# KiCad board Dhlyd2HndMaxPy.kicad_pcb (continued)
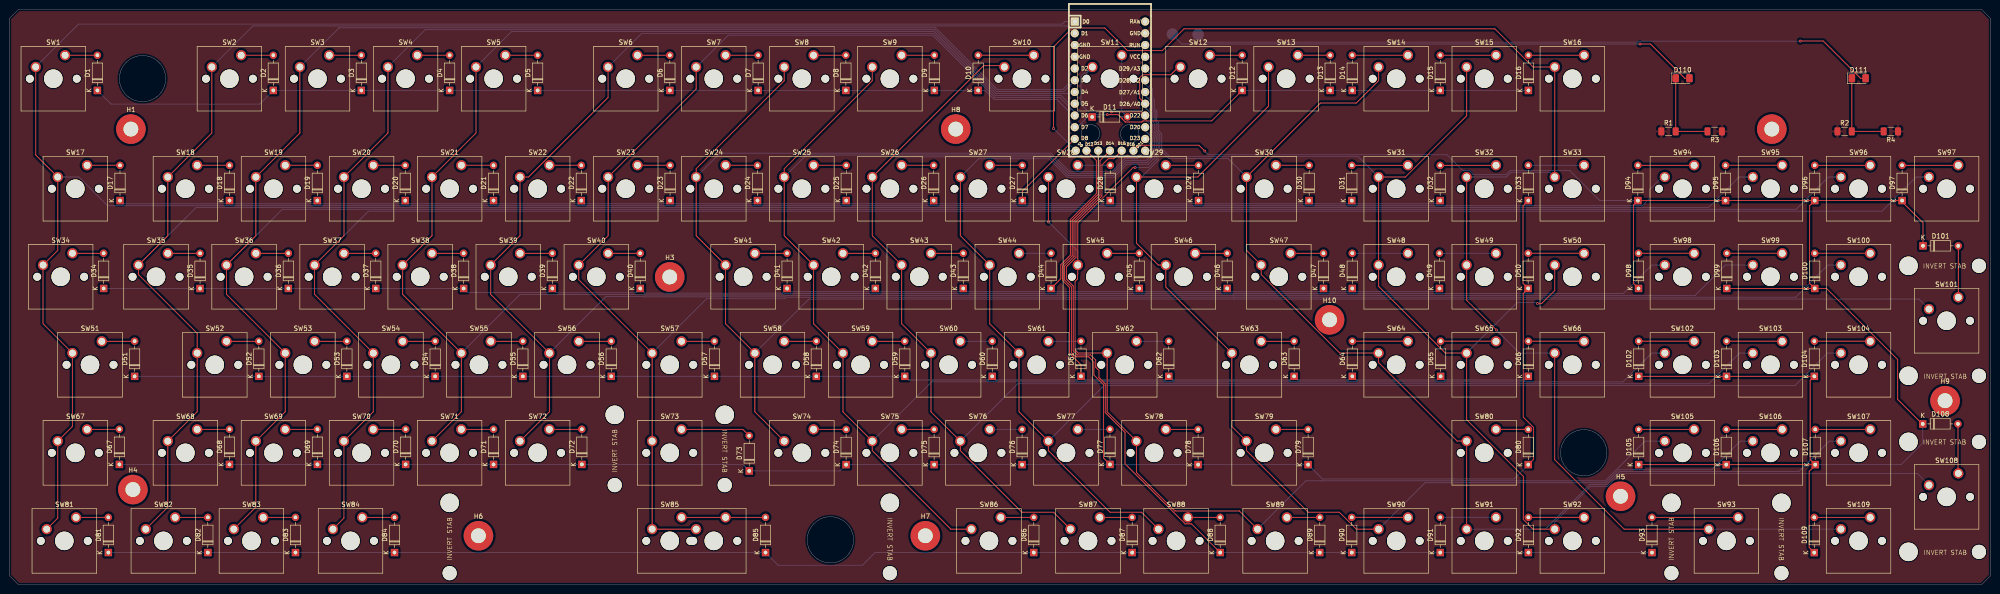
[diagram p0: board, top side]
## Footprints (pads in the part's own frame, mm; a bottom-side part is the same pattern mirrored in y, then rotated) (continued)
SW_Cherry_MX_1.3333u_PCB
  round 1.7 hole 1.7 unplated: (-7.62,-5.08) (2.54,-5.08)
  round 4 hole 4 unplated: (-2.54,-5.08)
  round 2.2 hole 1.5: 1(0,0) 2(-6.35,-2.54)
SW_Cherry_MX_1.8333u_PCB
  round 1.7 hole 1.7 unplated: (-7.62,-5.08) (2.54,-5.08)
  round 4 hole 4 unplated: (-2.54,-5.08)
  round 2.2 hole 1.5: 1(0,0) 2(-6.35,-2.54)
TestPoint_Pad_D2.5mm
  round 2.5 smd: 1(0,0)

## Nets
+5V: U1.21
GND: R1.1 R2.1 R3.1 R4.1 U1.3 U1.4 U1.23
Col0: SW1.2 SW17.2 SW34.2 SW51.2 SW67.2 SW81.2 SW94.2 U1.1
Col1: SW2.2 SW18.2 SW35.2 SW52.2 SW68.2 SW82.2 SW95.2 U1.2
Col2: SW3.2 SW19.2 SW36.2 SW53.2 SW69.2 SW83.2 SW96.2 U1.5
Col3: SW4.2 SW20.2 SW37.2 SW54.2 SW70.2 SW84.2 SW97.2 U1.6
Col4: SW5.2 SW21.2 SW38.2 SW55.2 SW71.2 SW98.2 U1.7
Col5: SW6.2 SW22.2 SW39.2 SW56.2 SW72.2 SW99.2 U1.8
Col6: SW7.2 SW23.2 SW40.2 SW57.2 SW73.2 SW85.2 SW100.2 U1.9
Col7: SW8.2 SW24.2 SW41.2 SW58.2 SW74.2 SW101.2 U1.13
Col8: SW9.2 SW25.2 SW42.2 SW59.2 SW75.2 SW86.2 SW102.2 U1.14
Col9: SW10.2 SW26.2 SW43.2 SW60.2 SW76.2 SW87.2 SW103.2 U1.15
Col10: SW11.2 SW27.2 SW44.2 SW61.2 SW77.2 SW88.2 SW104.2 U1.16
Col11: SW12.2 SW28.2 SW45.2 SW62.2 SW78.2 SW89.2 SW105.2 U1.17
Col12: SW13.2 SW29.2 SW46.2 SW63.2 SW79.2 SW90.2 SW106.2 U1.18
Col13: SW14.2 SW30.2 SW47.2 SW64.2 SW80.2 SW91.2 SW107.2 U1.19
Col14: SW15.2 SW31.2 SW48.2 SW50.2 SW65.2 SW92.2 SW108.2 U1.20
Col15: SW16.2 SW32.2 SW33.2 SW49.2 SW66.2 SW93.2 SW109.2 U1.12
Row0: D1.1 D2.1 D3.1 D4.1 D5.1 D6.1 D7.1 D8.1 D9.1 D10.1 D11.1 D12.1 D13.1 D14.1 D15.1 D16.1 U1.10
Row1: D17.1 D18.1 D19.1 D20.1 D21.1 D22.1 D23.1 D24.1 D25.1 D26.1 D27.1 D28.1 D29.1 D30.1 D31.1 D32.1 U1.11
Row2: D34.1 D35.1 D36.1 D37.1 D38.1 D39.1 D40.1 D41.1 D42.1 D43.1 D44.1 D45.1 D46.1 D47.1 D48.1 D49.1 U1.25
Row3: D51.1 D52.1 D53.1 D54.1 D55.1 D56.1 D57.1 D58.1 D59.1 D60.1 D61.1 D62.1 D63.1 D64.1 D65.1 D66.1 U1.26
Row4: D33.1 D50.1 D67.1 D68.1 D69.1 D70.1 D71.1 D72.1 D73.1 D74.1 D75.1 D76.1 D77.1 D78.1 D79.1 D80.1 U1.27
Row5: D81.1 D82.1 D83.1 D84.1 D85.1 D86.1 D87.1 D88.1 D89.1 D90.1 D91.1 D92.1 D93.1 U1.28
Row6: D94.1 D95.1 D96.1 D97.1 D98.1 D99.1 D100.1 D101.1 D102.1 D103.1 D104.1 D105.1 D106.1 D107.1 D108.1 D109.1 U1.29
Net-(D1-A): D1.2 SW1.1
Net-(D2-A): D2.2 SW2.1
Net-(D3-A): D3.2 SW3.1
Net-(D4-A): D4.2 SW4.1
Net-(D5-A): D5.2 SW5.1
Net-(D6-A): D6.2 SW6.1
Net-(D7-A): D7.2 SW7.1
Net-(D8-A): D8.2 SW8.1
Net-(D9-A): D9.2 SW9.1
Net-(D10-A): D10.2 SW10.1
Net-(D11-A): D11.2 SW11.1
Net-(D12-A): D12.2 SW12.1
Net-(D13-A): D13.2 SW13.1
Net-(D14-A): D14.2 SW14.1
Net-(D15-A): D15.2 SW15.1
Net-(D16-A): D16.2 SW16.1
Net-(D17-A): D17.2 SW17.1
Net-(D18-A): D18.2 SW18.1
Net-(D19-A): D19.2 SW19.1
Net-(D20-A): D20.2 SW20.1
Net-(D21-A): D21.2 SW21.1
Net-(D22-A): D22.2 SW22.1
Net-(D23-A): D23.2 SW23.1
Net-(D24-A): D24.2 SW24.1
Net-(D25-A): D25.2 SW25.1
Net-(D26-A): D26.2 SW26.1
Net-(D27-A): D27.2 SW27.1
Net-(D28-A): D28.2 SW28.1
Net-(D29-A): D29.2 SW29.1
Net-(D30-A): D30.2 SW30.1
Net-(D31-A): D31.2 SW31.1
Net-(D32-A): D32.2 SW32.1
Net-(D33-A): D33.2 SW33.1
Net-(D34-A): D34.2 SW34.1
Net-(D35-A): D35.2 SW35.1
Net-(D36-A): D36.2 SW36.1
Net-(D37-A): D37.2 SW37.1
Net-(D38-A): D38.2 SW38.1
Net-(D39-A): D39.2 SW39.1
Net-(D40-A): D40.2 SW40.1
Net-(D41-A): D41.2 SW41.1
Net-(D42-A): D42.2 SW42.1
Net-(D43-A): D43.2 SW43.1
Net-(D44-A): D44.2 SW44.1
Net-(D45-A): D45.2 SW45.1
Net-(D46-A): D46.2 SW46.1
Net-(D47-A): D47.2 SW47.1
Net-(D48-A): D48.2 SW48.1
Net-(D49-A): D49.2 SW49.1
Net-(D50-A): D50.2 SW50.1
Net-(D51-A): D51.2 SW51.1
Net-(D52-A): D52.2 SW52.1
Net-(D53-A): D53.2 SW53.1
Net-(D54-A): D54.2 SW54.1
Net-(D55-A): D55.2 SW55.1
Net-(D56-A): D56.2 SW56.1
Net-(D57-A): D57.2 SW57.1
Net-(D58-A): D58.2 SW58.1
Net-(D59-A): D59.2 SW59.1
Net-(D60-A): D60.2 SW60.1
Net-(D61-A): D61.2 SW61.1
Net-(D62-A): D62.2 SW62.1
Net-(D63-A): D63.2 SW63.1
Net-(D64-A): D64.2 SW64.1
Net-(D65-A): D65.2 SW65.1
Net-(D66-A): D66.2 SW66.1
Net-(D67-A): D67.2 SW67.1
Net-(D68-A): D68.2 SW68.1
Net-(D69-A): D69.2 SW69.1
Net-(D70-A): D70.2 SW70.1
Net-(D71-A): D71.2 SW71.1
Net-(D72-A): D72.2 SW72.1
Net-(D73-A): D73.2 SW73.1
Net-(D74-A): D74.2 SW74.1
Net-(D75-A): D75.2 SW75.1
Net-(D76-A): D76.2 SW76.1
Net-(D77-A): D77.2 SW77.1
Net-(D78-A): D78.2 SW78.1
Net-(D79-A): D79.2 SW79.1
Net-(D80-A): D80.2 SW80.1
Net-(D81-A): D81.2 SW81.1
Net-(D82-A): D82.2 SW82.1
Net-(D83-A): D83.2 SW83.1
Net-(D84-A): D84.2 SW84.1
Net-(D85-A): D85.2 SW85.1
Net-(D86-A): D86.2 SW86.1
Net-(D87-A): D87.2 SW87.1
Net-(D88-A): D88.2 SW88.1
Net-(D89-A): D89.2 SW89.1
Net-(D90-A): D90.2 SW90.1
Net-(D91-A): D91.2 SW91.1
Net-(D92-A): D92.2 SW92.1
Net-(D93-A): D93.2 SW93.1
Net-(D94-A): D94.2 SW94.1
Net-(D95-A): D95.2 SW95.1
Net-(D96-A): D96.2 SW96.1
Net-(D97-A): D97.2 SW97.1
Net-(D98-A): D98.2 SW98.1
Net-(D99-A): D99.2 SW99.1
Net-(D100-A): D100.2 SW100.1
Net-(D101-A): D101.2 SW101.1
Net-(D102-A): D102.2 SW102.1
Net-(D103-A): D103.2 SW103.1
Net-(D104-A): D104.2 SW104.1
Net-(D105-A): D105.2 SW105.1
Net-(D106-A): D106.2 SW106.1
Net-(D107-A): D107.2 SW107.1
Net-(D108-A): D108.2 SW108.1
Net-(D109-A): D109.2 SW109.1
Net-(D110-A): D110.2 TP1.1
Net-(D110-K): D110.1 R1.2 R3.2
Net-(D111-A): D111.2 TP2.1
Net-(D111-K): D111.1 R2.2 R4.2

Pads without a net: H1 1; H2 1; H3 1; H4 1; H5 1; H6 1; H7 1; H8 1; H9 1; H10 1; U1 22 24

## Via types
v1: diameter 0.6, hole 0.3, Top to Bottom, 10 vias

## Routing (per net, layer and track width the routed paths; a pad name or vN(x,y) marks a point on that pad's centre or on a via; arc(x,y) is an arc through that point)
Col0: length 691
  Top w0.2: SW81.2 10.49,14.42 SW67.2 13.66,34.26 SW51.2 7.31,56.48 SW34.2 10.49,72.36 SW17.2 5.72,93 SW1.2
  Bottom w0.2: SW1.2 15,121.32 227.8,121.32 228.35,121.87 U1.1 ; SW17.2 15.09,88.23 21.28,82.04 353.31,82.04 354.84,83.57 354.84,85.51 357.57,88.23 SW94.2
Col1: length 664.6
  Top w0.2: SW82.2 34.3,16.8 SW68.2 40.66,37.44 SW52.2 40.66,54.42 27.95,67.13 SW35.2 34.3,75.53 SW18.2 43.83,97.75 SW2.2
  Bottom w0.2: SW2.2 52.7,120.92 228.91,120.92 U1.2 ; SW95.2 374.23,88.23 367.63,81.64 40.41,81.64 SW35.2
Col2: length 653.3
  Top w0.2: SW83.2 53.35,16.8 SW69.2 59.7,37.44 SW53.2 47,62.84 SW36.2 53.36,75.53 SW19.2 62.88,97.75 SW3.2
  Bottom w0.2: SW36.2 59.06,81.24 386.58,81.24 393.58,88.23 SW96.2 ; SW3.2 71.36,120.52 200.39,120.52 213.77,107.14 227.9,107.14 229.12,108.36 229.12,110.33 U1.5
Col3: length 631.1
  Top w0.2: SW84.2 72.4,14.42 SW70.2 78.76,37.44 SW54.2 66.05,62.84 SW37.2 72.4,75.53 SW20.2 81.92,97.75 SW4.2
  Bottom w0.2: SW97.2 412.54,88.23 405.14,80.84 77.71,80.84 SW37.2 ; U1.6 230.5,109.08 228.15,106.73 213.62,106.73 200.22,120.12 90.01,120.12 SW4.2
Col4: length 502.2
  Top w0.2: SW71.2 97.8,37.44 SW55.2 85.1,62.84 SW38.2 91.45,75.53 SW21.2 100.98,97.75 SW5.2
  Bottom w0.2: SW5.2 108.65,119.72 200.06,119.72 213.49,106.29 230.16,106.29 U1.7 ; SW55.2 110.47,62.8 137.25,62.8 137.35,62.7 167.42,62.7 167.74,63.02 264.57,63.02 264.58,63.03 283.2,63.03 283.21,63.02 349.16,63.02 355.33,69.18 SW98.2
Col5: length 479
  Top w0.2: SW72.2 116.86,37.44 SW56.2 104.15,62.84 SW39.2 110.51,75.53 SW22.2 112.34,88.23 129.55,105.45 SW6.2
  Bottom w0.2: U1.8 229.34,104.09 227.59,105.85 213.37,105.85 199.9,119.32 136.82,119.32 SW6.2 ; SW56.2 129.12,62.4 137.09,62.4 137.19,62.3 167.58,62.3 167.9,62.62 264.74,62.62 264.75,62.63 283.03,62.63 283.04,62.62 364.71,62.62 371.28,69.18 SW99.2
Col6: length 484.8
  Top w0.2: SW85.2 SW85.2 139.07,12.04 SW73.2 139.08,31.09 SW57.2 123.2,66.01 SW40.2 129.56,75.53 SW23.2 148.6,107.28 SW7.2
  Bottom w0.2: 230.5,101 230.5,101.74 ; 230.5,101.74 U1.9 ; 230.5,101.74 230.5,102.24 227.32,105.42 213.23,105.42 199.73,118.92 155.54,118.92 148.67,112.04 SW7.2 ; SW57.2 150.85,61.9 167.75,61.9 168.07,62.22 264.9,62.22 264.91,62.23 282.87,62.23 282.88,62.22 386.47,62.22 393.44,69.18 SW100.2
Col7: length 459.8
  Top w0.2: SW8.2 167.65,109.08 148.61,90.03 SW24.2 148.61,75.53 SW41.2 154.95,56.48 SW58.2 161.31,37.43 SW74.2
  Bottom w0.2: SW58.2 172.99,61.82 265.07,61.82 265.08,61.83 282.7,61.83 282.71,61.82 413.14,61.82 SW101.2 ; U1.13 244.02,92.21 241.31,92.21 238.47,89.37 229.39,89.37 225.38,93.39 153.76,93.39 SW24.2 ; 246.4,93.45 246.03,93.82
Col8: length 395.3
  Top w0.2: SW86.2 203.7,12.03 186.7,29.03 SW75.2 180.36,37.43 SW59.2 174,56.48 SW42.2 167.65,75.53 SW25.2 167.65,90.03 186.7,109.08 SW9.2
  Bottom w0.2: SW102.2 355.34,50.13 349.12,43.91 199.52,43.91 SW75.2 ; U1.14 246.92,95.3 246.92,92.78 245.95,91.81 241.47,91.81 238.64,88.97 229.23,88.97 225.21,92.99 172.41,92.99 SW25.2
Col9: length 388.8
  Top w0.2: SW87.2 225.91,15.69 219.09,15.69 205.75,29.03 SW76.2 199.4,37.43 SW60.2 193.06,56.48 SW43.2 186.7,75.53 SW26.2 189.68,91.21 189.68,91.22 210.8,112.34 214.98,112.34 SW10.2
  Bottom w0.2: SW76.2 218.18,43.51 367.68,43.51 374.31,50.13 SW103.2 ; SW26.2 191.06,92.59 225.05,92.59 229.06,88.57 238.81,88.57 241.64,91.41 246.15,91.41 247.32,92.58 247.32,96.64 245.74,98.22 U1.15
Col10: length 358.8
  Top w0.2: v1(238.43,102.33) 241.42,102.33 241.43,102.34 242.35,102.34 242.36,102.33 244.97,102.33 U1.16 ; SW88.2 244.96,15.69 238.14,15.69 224.8,29.03 SW77.2 218.45,37.43 SW61.2 212.1,56.48 SW44.2 205.75,75.53 SW27.2
  Bottom w0.2: U1.16 245.74,100.69 246.93,99.5 246.93,97.61 247.72,96.82 247.72,92.34 246.39,91.01 241.82,91.01 238.98,88.17 228.9,88.17 224.88,92.19 209.71,92.19 SW27.2 205.91,88.08 ; SW77.2 236.82,43.11 386.31,43.11 393.34,50.13 SW104.2 ; SW11.2 232.98,110.7 232.56,110.7 231.85,110 231.85,103.95 233.47,102.34 235.23,102.34 235.24,102.33 v1(238.43,102.33)
Col11: length 264
  Top w0.2: v1(243.55,90.3) 243.14,90.3 231.15,78.31 SW45.2 231.15,67.21 231.08,67.14 231.08,66.15 230.58,65.64 230.58,50.8 231.25,50.13 SW62.2 237.5,37.43 SW78.2 243.85,24.27 252.15,15.97 266.11,15.97 SW89.2 ; SW12.2 252.95,112.04 251.27,110.37 245.19,110.37 244.55,109.73 244.55,105.28 U1.17 ; SW28.2 224.81,78.54 v1(224.84,78.51)
  Bottom w0.2: v1(224.84,78.51) 231.15,72.19 SW45.2 ; SW89.2 280.51,22.5 283.92,22.5 283.93,22.49 345.27,22.49 353.86,31.08 SW105.2 ; v1(243.55,90.3) 246.45,90.3 248.12,91.97 248.12,97.05 247.34,97.83 247.34,99.71 246.95,100.1 246.95,102.07 245.74,103.28 U1.17
Col12: length 260
  Top w0.2: SW13.2 272.43,103.55 257.1,88.23 SW29.2 243.85,73.91 248.58,69.18 SW46.2 250.2,64.42 SW63.2 264.49,34.26 SW79.2 267.66,29.03 281,15.69 287.77,15.69 291.42,12.03 SW90.2
  Bottom w0.2: SW90.2 306.3,22.09 345.44,22.09 348.24,24.9 368.3,24.9 374.48,31.08 SW106.2 ; U1.18 245.74,105.81 246.92,104.63 246.92,102.71 247.38,102.25 247.38,100.24 247.81,99.8 247.81,97.95 248.52,97.24 248.52,91.77 244.98,88.23 SW29.2
Col13: length 268.6
  Top w0.2: SW14.2 296.24,109.08 291.39,104.23 283.66,104.23 SW30.2 267.67,72.36 SW47.2 270.84,67.13 287.83,50.14 SW64.2 296.23,48.08 313.23,31.09 SW80.2 315.28,12.04 SW91.2
  Bottom w0.2: SW91.2 332.26,12.03 341.92,21.69 345.6,21.69 348.41,24.5 387.17,24.5 393.75,31.08 SW107.2 ; SW30.2 263.65,92.25 250.87,92.25 248.92,94.2 248.92,97.41 248.27,98.06 248.27,99.91 247.86,100.32 247.86,102.35 247.32,102.89 247.32,104.79 246.94,105.17 246.94,107.1 246.92,107.12 246.92,107.12 246.23,107.81 246.23,107.81 245.74,108.3 U1.19
Col14: length 319.9
  Top w0.2: SW92.2 329.64,12.03 327.54,14.13 327.54,23.45 315.28,35.72 SW65.2 310.67,50.14 296.23,64.58 SW48.2 296.23,88.15 296.24,88.15 SW31.2 302.03,88.23 315.29,101.49 SW15.2 ; v1(330.61,60.88) 331.53,60.88 334.33,63.68 SW50.2
  Bottom w0.2: SW108.2 412.76,24.1 348.58,24.1 345.77,21.29 342.09,21.29 334.34,13.54 SW92.2 ; v1(330.61,60.88) 330.41,61.08 326.22,61.08 SW65.2 ; SW31.2 291.82,92.65 251.08,92.65 249.32,94.41 249.32,97.59 248.67,98.24 248.67,100.08 248.26,100.49 248.26,102.51 247.72,103.05 247.72,104.96 247.34,105.34 247.34,107.26 246.92,107.69 246.92,110.54 U1.20 245.74,110.86
Col15: length 327.4
  Top w0.2: v1(225.9,98.71) 225.9,116.4 230.01,120.51 230.99,120.51 231.01,120.49 237,120.49 241.9,115.59 249.44,115.59 254.16,120.31 321.37,120.31 329.64,112.05 SW16.2 334.34,88.24 SW33.2 ; SW32.2 315.29,69.18 SW49.2 315.28,61.56 v1(321.72,55.13) ; SW66.2 334.33,27.06 349.36,12.03 SW93.2
  Bottom w0.2: SW66.2 326.71,50.14 v1(321.72,55.13) ; v1(225.9,98.71) 226.36,98.25 226.41,98.25 U1.12 ; SW32.2 323.87,88.23 324.9,89.26 333.31,89.26 SW33.2 ; SW93.2 SW109.2
Row0: length 322.7
  Top w0.2: v1(237.52,101.73) 239.89,101.73 240.79,100.83 240.79,100.78 241.43,100.14 245.02,100.14 245.25,100.38 260.13,100.38 D12.1
  Bottom w0.2: D1.1 22.03,104.01 54.17,104.01 D2.1 D3.1 D4.1 D6.1 D9.1 ; 230.5,99.34 230.5,98.46 233.28,101.24 D11.1 234.76,101.73 v1(237.52,101.73) ; D9.1 200.13,106.65 ; D9.1 D10.1 211.11,106.97 213.06,105.02 226.66,105.02 226.79,104.88 229.24,102.43 229.24,100.27 U1.10 ; D12.1 D16.1
Row1: length 312.3
  Top w0.2: U1.11 219.17,85.14 D27.1
  Bottom w0.2: D32.1 308.85,82.44 291.14,82.44 D31.1 289.74,82.44 281.91,82.44 D30.1 280.51,82.44 257.98,82.44 D29.1 256.58,82.44 238.88,82.44 D28.1 237.48,82.44 219.87,82.44 D27.1 218.47,82.44 200.68,82.44 D26.1 199.28,82.44 181.77,82.44 D25.1 180.37,82.44 162.57,82.44 D24.1 161.17,82.44 143.66,82.44 D23.1 142.26,82.44 124.46,82.44 D22.1 123.06,82.44 105.46,82.44 D21.1 104.06,82.44 86.36,82.44 D20.1 84.96,82.44 67.35,82.44 D19.1 65.95,82.44 48.35,82.44 D18.1 46.95,82.44 24.66,82.44 D17.1
Row2: length 330.7
  Top w0.2: D44.1 227.48,66.22 227.48,69.27 229.56,71.34 229.56,79.02 235.18,84.65 235.18,91.79 U1.25
  Bottom w0.2: D34.1 41.27,64.12 D35.1 41.61,64.11 41.62,64.12 D36.1 D37.1 D38.1 99.17,63.25 116.62,63.25 D39.1 118.41,63.2 135.58,63.2 D40.1 137.52,63.1 167.25,63.1 D41.1 168.97,63.42 186.67,63.42 D42.1 188.07,63.42 205.68,63.42 D43.1 207.08,63.42 224.68,63.42 D44.1 226.08,63.42 243.77,63.42 D45.1 245.17,63.42 262.78,63.42 D46.1 264.18,63.42 264.4,63.42 264.41,63.43 283.37,63.43 283.38,63.42 283.61,63.42 D47.1 285.01,63.42 289.84,63.42 D48.1 291.24,63.42 308.7,63.42 D49.1
Row3: length 359.8
  Top w0.2: D61.1 231.85,47.61 229.38,50.08 229.38,64.32 227.88,65.81 227.88,69.11 229.95,71.18 229.95,78.86 235.58,84.48 U1.26
  Bottom w0.2: D51.1 D59.1 194.53,44.31 211.86,44.31 D60.1 213.44,44.31 231.06,44.31 D61.1 232.64,44.31 250.06,44.31 D62.1 251.64,44.31 277.17,44.31 D63.1 278.75,44.31 289.76,44.31 D64.1 291.34,44.31 308.86,44.31 D65.1 310.44,44.31 327.84,44.31 D66.1
Row4: length 446.1
  Top w0.2: D33.1 327.49,82.01 327.49,65.22 D50.1 327.53,63.06 327.53,36.26 329.73,34.06 329.73,27.11 D80.1 ; D77.1 236.7,27.45 236.7,43.32 234.63,45.39 234.63,48.21 233.51,49.33 230.92,49.33 230.81,49.44 230.58,49.44 229.78,50.24 229.78,64.48 228.28,65.98 228.28,68.94 230.35,71.01 230.35,78.69 235.98,84.32 235.98,91.79 U1.27
  Bottom w0.2: D67.1 D72.1 158.68,26.04 D73.1 179.68,24.64 D74.1 D79.1 284.1,22.89 325.51,22.89 D80.1
Row5: length 445.1
  Top w0.2: U1.28 238.94,92.21 237.76,92.21 236.38,90.82 236.38,84.15 230.75,78.53 230.75,70.85 228.69,68.78 228.69,66.15 230.18,64.65 230.18,50.64 231.08,49.73 233.93,49.73 235.03,48.62 235.03,47.1 235.74,46.39 235.74,44.85 237.1,43.48 237.1,37.26 241.38,32.99 241.38,26.18 254.39,13.17 255.76,13.17 D88.1
  Bottom w0.2: D93.1 355.37,6.97 D88.1 D87.1 D86.1 187.32,6.97 184.56,4.21 166.36,4.21 D85.1 D84.1 D81.1
Row6: length 429.2
  Top w0.2: D104.1 390.5,45 ; D104.1 389.59,44.19 389.59,27.1 D107.1 ; D104.1 D103.1 D102.1 ; D96.1 D95.1 D94.1 351.37,82.18 351.37,65.22 D98.1 ; D96.1 389.47,82.04 389.47,65.22 D100.1 ; D96.1 D97.1 409.48,82.86 414,78.34 D101.1 ; D99.1 D100.1 ; D100.1 393.14,64.12 408.52,48.73 408.52,40.11 413.89,34.74 413.95,34.8 D108.1 ; U1.29 244.38,95.11 257.37,95.11 v1(258.64,93.84) ; D105.1 D106.1 D107.1 ; D107.1 390.69,25.84 389.38,24.53 389.38,8.06 D109.1
  Bottom w0.2: D94.1 344.08,83.14 337.56,89.66 324.73,89.66 323.81,88.74 316.69,88.74 316.69,88.81 315.87,89.63 314.45,89.63 311.04,93.05 259.43,93.05 v1(258.64,93.84) ; D108.1 413.95,30.67 409.27,26 D107.1
Net-(D1-A): length 7
  Top w0.2: SW1.1 19.06,114.58 D1.2
Net-(D2-A): length 7
  Top w0.2: SW2.1 57.12,114.58 D2.2
Net-(D3-A): length 6.9
  Top w0.2: D3.2 76.17,114.58 SW3.1
Net-(D4-A): length 7
  Top w0.2: D4.2 95.27,114.58 SW4.1
Net-(D5-A): length 7
  Top w0.2: SW5.1 114.3,114.58 D5.2
Net-(D6-A): length 7
  Top w0.2: D6.2 142.9,114.58 SW6.1
Net-(D7-A): length 7.1
  Top w0.2: D7.2 162,114.58 SW7.1
Net-(D8-A): length 7
  Top w0.2: D8.2 180.99,114.58 SW8.1
Net-(D9-A): length 7.1
  Top w0.2: SW9.1 200.13,114.58 D9.2
Net-(D10-A): length 12
  Top w0.2: D10.2 221.62,114.59 SW10.1
Net-(D11-A): length 13.8
  Bottom w0.2: SW11.1 240.68,102.45 D11.2
Net-(D12-A): length 7
  Top w0.2: SW12.1 266.71,114.58 D12.2
Net-(D13-A): length 7
  Top w0.2: SW13.1 278.78,114.59 D13.2
Net-(D14-A): length 12.1
  Top w0.2: SW14.1 290.53,114.58 D14.2
Net-(D15-A): length 12.1
  Top w0.2: D15.2 309.57,114.58 SW15.1
Net-(D16-A): length 12
  Top w0.2: SW16.1 328.65,114.59 D16.2
Net-(D17-A): length 7.1
  Top w0.2: SW17.1 23.94,90.77 D17.2
Net-(D18-A): length 7
  Top w0.2: D18.2 47.64,90.77 SW18.1
Net-(D19-A): length 7
  Top w0.2: D19.2 66.64,90.77 SW19.1
Net-(D20-A): length 6.9
  Top w0.2: SW20.1 85.64,90.77 D20.2
Net-(D21-A): length 7
  Top w0.2: D21.2 104.74,90.77 SW21.1
Net-(D22-A): length 6.9
  Top w0.2: D22.2 123.74,90.77 SW22.1
Net-(D23-A): length 7.1
  Top w0.2: SW23.1 142.94,90.77 D23.2
Net-(D24-A): length 6.9
  Top w0.2: SW24.1 161.86,90.77 D24.2
Net-(D25-A): length 7.1
  Top w0.2: D25.2 181.06,90.77 SW25.1
Net-(D26-A): length 6.9
  Top w0.2: SW26.1 199.96,90.77 D26.2
Net-(D27-A): length 7.1
  Top w0.2: D27.2 219.15,90.77 SW27.1
Net-(D28-A): length 7.1
  Top w0.2: 238.16,90.77 D28.2
  Bottom w0.2: SW28.1 238.16,90.77 D28.2
Net-(D29-A): length 7.1
  Top w0.2: SW29.1 257.26,90.77 D29.2
Net-(D30-A): length 7.2
  Top w0.2: SW30.1 281.19,90.77 D30.2
Net-(D31-A): length 12.2
  Top w0.2: D31.2 302.57,90.76 SW31.1
Net-(D32-A): length 12.1
  Top w0.2: SW32.1 321.62,90.76 D32.2
Net-(D33-A): length 12.1
  Bottom w0.2: SW33.1 340.67,90.76 D33.2
Net-(D34-A): length 6.8
  Top w0.2: SW34.1 20.41,71.72 D34.2
Net-(D35-A): length 7
  Top w0.2: D35.2 41.27,71.72 SW35.1
Net-(D36-A): length 7
  Top w0.2: D36.2 60.36,71.72 SW36.1
Net-(D37-A): length 6.9
  Top w0.2: D37.2 79.27,71.72 SW37.1
Net-(D38-A): length 6.9
  Top w0.2: D38.2 98.28,71.72 SW38.1
Net-(D39-A): length 7
  Top w0.2: SW39.1 117.47,71.72 D39.2
Net-(D40-A): length 7
  Top w0.2: SW40.1 136.48,71.72 D40.2
Net-(D41-A): length 7
  Top w0.2: D41.2 168.25,71.72 SW41.1
Net-(D42-A): length 7
  Top w0.2: SW42.1 187.36,71.72 D42.2
Net-(D43-A): length 7
  Top w0.2: D43.2 206.37,71.72 SW43.1
Net-(D44-A): length 6.9
  Bottom w0.2: D44.2 225.37,71.72 SW44.1
Net-(D45-A): length 7
  Top w0.2: D45.2 244.45,71.72 SW45.1
Net-(D46-A): length 6.9
  Top w0.2: D46.2 263.46,71.72 SW46.1
Net-(D47-A): length 7.1
  Top w0.2: D47.2 284.29,71.72 SW47.1
Net-(D48-A): length 12.1
  Top w0.2: 302.57,71.74 SW48.1
  Bottom w0.2: SW48.1 302.57,71.74 D48.2
Net-(D49-A): length 12.2
  Bottom w0.2: SW49.1 321.62,71.74 D49.2
Net-(D50-A): length 12.1
  Top w0.2: SW50.1 340.67,71.74 D50.2
Net-(D51-A): length 7.1
  Top w0.2: D51.2 27.08,52.67 SW51.1
Net-(D52-A): length 7
  Top w0.2: SW52.1 53.95,52.67 D52.2
Net-(D53-A): length 7
  Top w0.2: D53.2 72.99,52.67 SW53.1
Net-(D54-A): length 7.1
  Top w0.2: D54.2 92.09,52.67 SW54.1
Net-(D55-A): length 7
  Top w0.2: SW55.1 111.07,52.67 D55.2
Net-(D56-A): length 7
  Top w0.2: SW56.1 130.19,52.67 D56.2
Net-(D57-A): length 7.1
  Top w0.2: D57.2 152.51,52.67 SW57.1
Net-(D58-A): length 7
  Top w0.2: SW58.1 174.55,52.67 D58.2
Net-(D59-A): length 7.1
  Top w0.2: SW59.1 193.69,52.67 D59.2
Net-(D60-A): length 6.9
  Bottom w0.2: SW60.1 212.6,52.67 D60.2
Net-(D61-A): length 7.1
  Bottom w0.2: SW61.1 231.81,52.67 D61.2
Net-(D62-A): length 7.1
  Top w0.2: 250.81,52.67 D62.2
  Bottom w0.2: SW62.1 250.81,52.67 D62.2
Net-(D63-A): length 7.1
  Top w0.2: SW63.1 277.91,52.67 D63.2
Net-(D64-A): length 12
  Top w0.2: SW64.1 302.54,52.72 D64.2
Net-(D65-A): length 12
  Top w0.2: SW65.1 321.59,52.72 D65.2
Net-(D66-A): length 12.1
  Top w0.2: D66.2 340.64,52.72 SW66.1
Net-(D67-A): length 7
  Top w0.2: SW67.1 23.8,33.62 D67.2
Net-(D68-A): length 7
  Top w0.2: SW68.1 47.61,33.62 D68.2
Net-(D69-A): length 7
  Top w0.2: D69.2 66.64,33.62 SW69.1
Net-(D70-A): length 7
  Top w0.2: D70.2 85.71,33.62 SW70.1
Net-(D71-A): length 7
  Top w0.2: D71.2 104.73,33.62 SW71.1
Net-(D72-A): length 7
  Top w0.2: SW72.1 123.83,33.62 D72.2
Net-(D73-A): length 15.2
  Top w0.2: SW73.1 158.71,33.62 D73.2
Net-(D74-A): length 7
  Top w0.2: D74.2 181.04,33.62 SW74.1
Net-(D75-A): length 7
  Top w0.2: D75.2 200.07,33.62 SW75.1
Net-(D76-A): length 7
  Bottom w0.2: SW76.1 219.1,33.62 D76.2
Net-(D77-A): length 7
  Bottom w0.2: SW77.1 238.08,33.62 D77.2
Net-(D78-A): length 7.9
  Top w0.2: 257.93,33.26 257.56,33.62 SW78.1
Net-(D79-A): length 7
  Top w0.2: D79.2 280.98,33.62 SW79.1
Net-(D80-A): length 7
  Top w0.2: SW80.1 328.61,33.63 D80.2
Net-(D81-A): length 7
  Top w0.2: SW81.1 21.42,14.57 D81.2
Net-(D82-A): length 7.1
  Top w0.2: D82.2 42.94,14.57 SW82.1
Net-(D83-A): length 7
  Top w0.2: SW83.1 61.91,14.57 D83.2
Net-(D84-A): length 7
  Top w0.2: D84.2 83.33,14.57 SW84.1
Net-(D85-A): length 18.2
  Top w0.2: D85.2 163.59,14.57 SW85.1 SW85.1
Net-(D86-A): length 7.2
  Top w0.2: SW86.1 221.63,14.57 D86.2
Net-(D87-A): length 7
  Top w0.2: SW87.1 242.91,14.57 D87.2
Net-(D88-A): length 7
  Top w0.2: SW88.1 261.95,14.57 D88.2
Net-(D89-A): length 7.1
  Top w0.2: SW89.1 283.5,14.57 D89.2
Net-(D90-A): length 12.2
  Top w0.2: SW90.1 302.58,14.59 D90.2
Net-(D91-A): length 12.1
  Bottom w0.2: D91.2 321.63,14.59 SW91.1
Net-(D92-A): length 12.1
  Top w0.2: D92.2 340.68,14.59 SW92.1
Net-(D93-A): length 18.7
  Top w0.2: SW93.1 374.02,14.58 D93.2
Net-(D94-A): length 12.2
  Top w0.2: D94.2 364.48,90.76 SW94.1
Net-(D95-A): length 12.3
  Top w0.2: SW95.1 371.3,90.77 D95.2
Net-(D96-A): length 12
  Top w0.2: SW96.1 402.58,90.76 D96.2
Net-(D97-A): length 12.2
  Top w0.2: SW97.1 421.63,90.76 D97.2
Net-(D98-A): length 12
  Top w0.2: SW98.1 364.49,71.74 D98.2
Net-(D99-A): length 12
  Top w0.2: SW99.1 383.54,71.74 D99.2
Net-(D100-A): length 12
  Top w0.2: D100.2 402.59,71.74 SW100.1
Net-(D101-A): length 11.1
  Top w0.2: SW101.1 421.65,73.31 D101.2
Net-(D102-A): length 12
  Top w0.2: SW102.1 364.46,52.72 D102.2
Net-(D103-A): length 12.1
  Top w0.2: D103.2 383.51,52.72 SW103.1
Net-(D104-A): length 12.1
  Top w0.2: D104.2 402.56,52.72 SW104.1
Net-(D105-A): length 12
  Top w0.2: D105.2 364.5,33.62 SW105.1
Net-(D106-A): length 12.1
  Top w0.2: D106.2 383.54,33.62 SW106.1
Net-(D107-A): length 11.9
  Top w0.2: D107.2 402.59,33.62 SW107.1
Net-(D108-A): length 10.7
  Top w0.2: D108.2 421.57,24.18 SW108.1
Net-(D109-A): length 12.1
  Top w0.2: D109.2 402.59,14.58 SW109.1
Net-(D110-A): length 116.4
  Top w0.2: 363.49,110.11 D110.2 362.45,109.6 355.04,117.02 v1(352.78,117.02)
  Bottom w0.2: 251.56,119.1 253.64,117.02 v1(352.78,117.02)
Net-(D110-K): length 18.4
  Top w0.2: D110.1 360.51,98.12 R1.2 R3.2
Net-(D111-A): length 149.5
  Top w0.2: v1(387.46,117.65) 392.44,117.65 400.48,109.6 D111.2 401.59,110.55
  Bottom w0.2: v1(387.46,117.65) 387.22,117.65 387.19,117.62 353.41,117.62 352.53,117.62 352.33,117.42 258.87,117.42 TP2.1
Net-(D111-K): length 18.4
  Top w0.2: D111.1 398.61,98.12 R2.2 R4.2

## Copper pours and planes (outline as drawn; the poured copper is in the pictures)
GND on Top: -21.57,155.99 -22.78,-24.66 454.73,-28.27 455.94,157.79
GND on Bottom: -11.34,144.54 -11.34,-14.42 446.3,-18.64 443.29,145.15

## Text on the board
B.Silkscreen: Quixotic Keyboards, LLC / Post-Mechanical KeyBrd / Two-Hand Jumbo Py / 27 Feb 2025 v1.0 / Dholydai
